# Altium PCB SAMD20_Xplained_Pro.PcbDoc (part 3 of 3)
Units mm, origin at the board's own origin, x right, y up, seen from the top; angles counter-clockwise.
Board outline 60 x 100 mm, 4 copper layers (Top Layer LF-signals, GND, POWER, Bottom Layer LF-signals), stack 1.604 mm thick; 165 components, 137 nets, 712 pads, 237 vias.
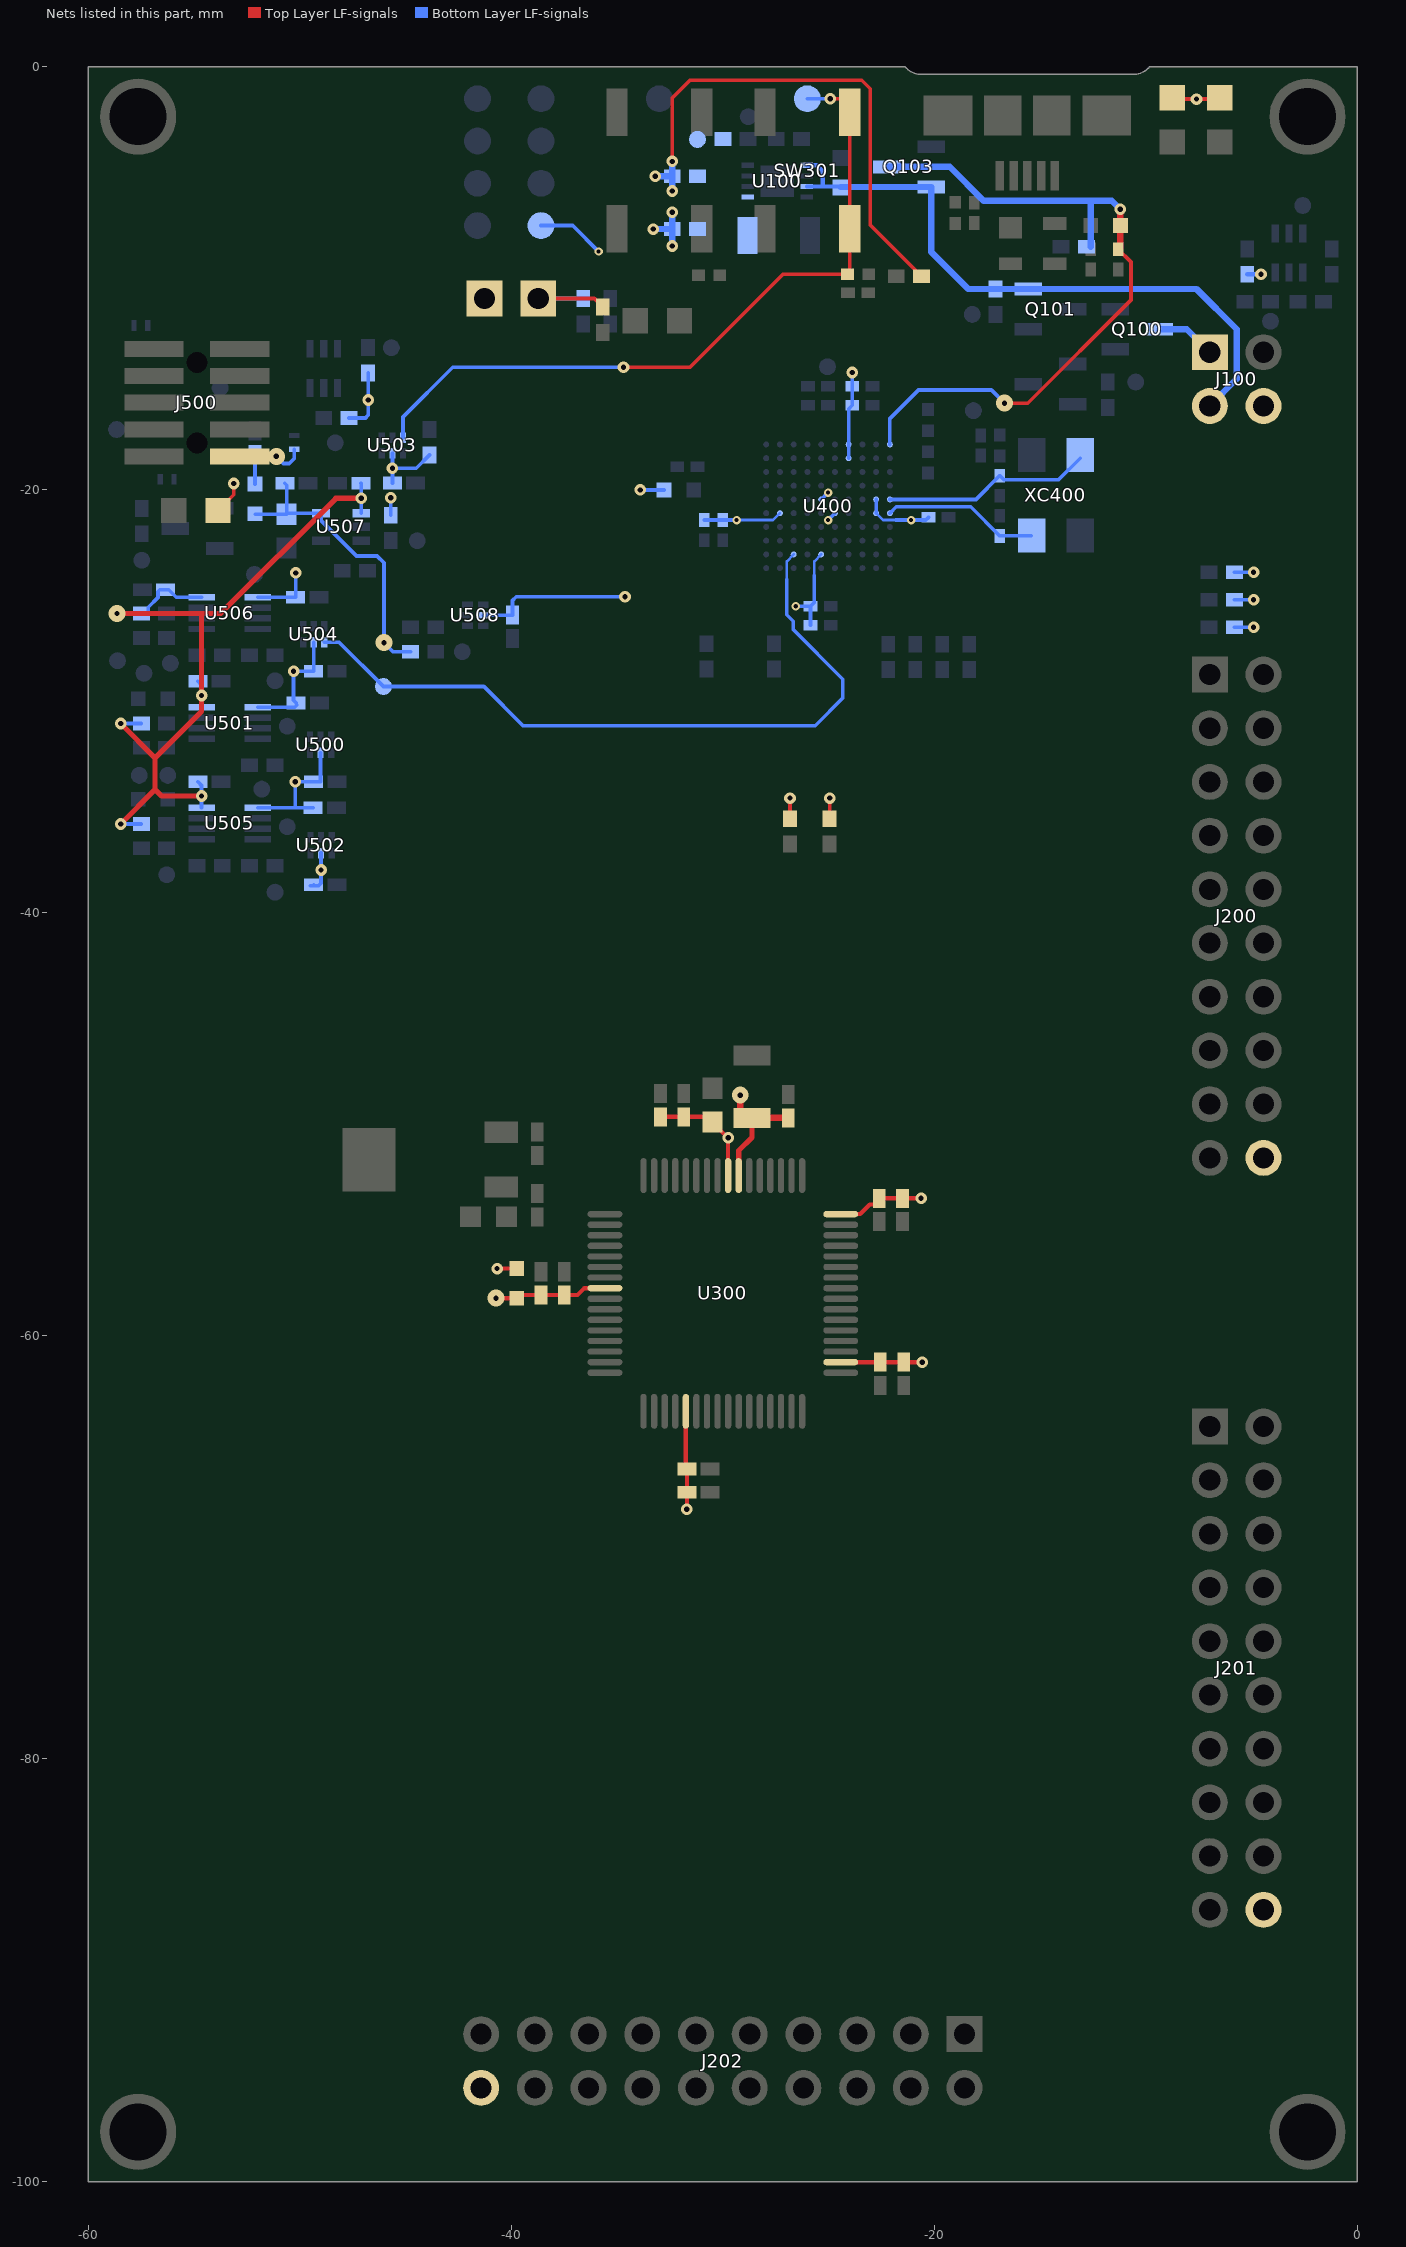
[diagram p5: the nets of this part, all layers, seen from the top]

## Via types
v1: diameter 0.55, hole 0.25, Top Layer LF-signals to Bottom Layer LF-signals, tented both sides, 80 vias
v2: diameter 0.55, hole 0.25, Top Layer LF-signals to Bottom Layer LF-signals, tented top, 71 vias
v3: diameter 0.55/0.8 (per signal layer), hole 0.25, Top Layer LF-signals to Bottom Layer LF-signals, tented top, 39 vias
v4: diameter 0.55, hole 0.25, Top Layer LF-signals to Bottom Layer LF-signals, 20 vias
v5: diameter 0.4, hole 0.2, Top Layer LF-signals to Bottom Layer LF-signals, tented both sides, 16 vias
v6: diameter 0.4, hole 0.2, Top Layer LF-signals to Bottom Layer LF-signals, tented top, 10 vias
v7: diameter 0.4, hole 0.2, Top Layer LF-signals to Bottom Layer LF-signals, 1 vias

## Nets (pads, with @x,y where several pads share a name; then routed paths per layer and width w, separated by ;. In a path a pad name is that pad's centre, name@x,y a point inside that pad or via, vN(x,y) a via of type N, cw(c..) or ccw(c..) an arc to the next point about the centre after c; other vN are vias at no path point) (continued)
TARGET_RESET_INTERNAL: R304.1 SW301.3 SW301.4 TP301.1 U503.3 | length 35
  Top Layer LF-signals w0.175: v4(-34.7,-14.2) -31.55,-14.2 -27.15,-9.8 R304.1@-24.1,-9.8 -24,-9.7 SW301.3@-24,-7.65 SW301.4@-24,-2.15 -24,-1.8 -24.3,-1.5 v2(-24.925,-1.5)
  Bottom Layer LF-signals w0.175: U503.3@-45.125,-17.525 -45.125,-16.55 -42.775,-14.2 v4(-34.7,-14.2) ; TP301.1@-26,-1.5 v2(-24.925,-1.5)
TARGET_RESET_SENSE: pad.0@-46.05,-29.3 U400.H2 U504.4 | length 34.7
  Bottom Layer LF-signals w0.125: -26.975,-24.225 -26.975,-23.375 U400.H2@-26.65,-23.05
  Bottom Layer LF-signals w0.175: U504.4@-48.85,-27.2 -48.15,-27.2 pad.0@-46.05,-29.3 -41.3,-29.3 -39.45,-31.15 -25.633,-31.15 -24.325,-29.842 -24.325,-28.95 -26.675,-26.6 -26.675,-26.209 -26.975,-25.909 -26.975,-24.225
VCC_EDBG_P3V3: C409.1 C410.1 C411.1 C412.1 C413.1 C414.1 C415.1 C500.1 C504.1 C505.1 C506.1 C508.1 C509.1 C512.1 C515.1 D400.2 D401.2 D500.2 L402.1 R401.2 R402.2 R409.2 R410.2 R425.1 R514.2 R520.2 R525.2 R526.2 TP407.1 U400.B5 U400.B6 U400.D9 U400.D10 U400.E5 U400.F2 U400.F6 U400.J5 U500.5 U501.1 U502.5 U503.5 U504.5 U505.1 U506.1 U508.5 | length 62.2
  Top Layer LF-signals w0.175: D500.2@-53.875,-20.975 -53.125,-20.225 v4(-53.125,-19.7)
  Top Layer LF-signals w0.2: D400.2@-8.756,-1.518 v2(-7.6,-1.518) D401.2@-6.47,-1.518
  Bottom Layer LF-signals w0.125: v6(-29.35,-21.425) -27.625,-21.425 U400.J5@-27.3,-21.1 ; -25.675,-24.05 -25.675,-23.375 U400.F2@-25.35,-23.05 ; U400.B5@-22.75,-21.1 -22.425,-21.425 -21.825,-21.425
  Bottom Layer LF-signals w0.175: U505.1@-52,-35.025 -50.25,-35.025 ; U501.1@-52,-30.275 -50.25,-30.275 C504.1@-50.15,-30.175 ; U506.1@-52,-25.075 C512.1@-50.2,-25.075 v2(-50.2,-23.925) ; C504.1@-50.175,-30.075 -50.3,-29.95 v2(-50.3,-28.575) C509.1@-49.35,-28.575 U504.5@-49.35,-27.2 ; C505.1@-49.5,-38.725 -49.125,-38.725 -49,-38.6 U502.5@-49,-37.175 ; C508.1@-49.375,-35.025 -50.25,-35.025 ; U500.5@-49.025,-32.425 -49.025,-33.8 v2(-50.225,-33.8) -50.225,-35 -50.25,-35.025 ; R525.2@-47.675,-16.6 -46.9,-16.6 -46.775,-16.475 v2(-46.775,-15.75) R526.2@-46.775,-14.475 ; R514.2@-45.7,-21.2 v2(-45.7,-20.375) ; C506.1@-45.625,-19.675 v2(-45.625,-18.975) ; U503.5@-45.625,-18.275 v2(-45.625,-18.975) ; R520.2@-43.875,-18.35 -44.5,-18.975 v2(-45.625,-18.975) ; U508.5@-41.325,-25.925 C515.1@-39.95,-25.925 -39.95,-25.225 -39.775,-25.05 v4(-34.625,-25.05) ; TP407.1@-38.6,-7.5 -37.1,-7.5 v5(-35.875,-8.725) ; v1(-33.9,-20) L402.1@-32.775,-20 ; C414.1@-30.875,-21.425 C413.1@-30,-21.425 v6(-29.35,-21.425) ; v5(-26.55,-25.5) C412.1@-25.85,-25.5 ; C415.1@-25.85,-26.4 C412.1@-25.85,-25.5 ; -25.675,-24.05 -25.675,-25.325 C412.1@-25.85,-25.5 ; U400.F6@-25.35,-20.45 v5(-25.025,-20.125) ; v5(-25.025,-21.425) U400.E5@-24.7,-21.1 ; U400.D9@-24.05,-18.5 U400.D10@-24.05,-17.85 -24.05,-16.175 C410.1@-23.875,-16 C409.1@-23.875,-15.1 v1(-23.875,-14.45) ; U400.B5@-22.75,-21.1 U400.B6@-22.75,-20.45 ; -21.825,-21.425 v6(-21.1,-21.425) -20.4,-21.425 C411.1@-20.275,-21.3 ; R409.2@-5.8,-26.5 v2(-4.9,-26.5) ; R402.2@-5.8,-25.2 v2(-4.9,-25.2) ; R401.2@-5.8,-23.9 v2(-4.9,-23.9)
  Bottom Layer LF-signals w0.2: R410.2@-5.2,-9.8 v2(-4.55,-9.8)
  Bottom Layer LF-signals w0.3: v2(-33.29,-7.665) R425.1@-32.39,-7.665 ; v2(-32.39,-8.465) R425.1@-32.39,-7.665 ; v2(-32.39,-6.865) R425.1@-32.39,-7.665
  other v2: -49,-37.975
VCC_EDBG_USB_P5V0: C408.1 L401.2 Q103.3 R104.2 U400.A10 | length 34
  Top Layer LF-signals w0.125: C408.1@-11.3,-8.625 C408.1@-11.3,-8.525
  Top Layer LF-signals w0.175: v3(-16.675,-15.9) -15.575,-15.9 -10.7,-11.025 -10.7,-9.225 C408.1@-11.3,-8.625
  Top Layer LF-signals w0.3: C408.1@-11.2,-8.525 L401.2@-11.2,-7.5 v2@-11.2,-6.775
  Bottom Layer LF-signals w0.175: U400.A10@-22.1,-17.85 -22.1,-16.625 -20.75,-15.275 -17.3,-15.275 v3(-16.675,-15.9)
  Bottom Layer LF-signals w0.3: Q103.3@-22.25,-4.725 -19.275,-4.725 -17.675,-6.325 -11.6,-6.325 v2(-11.2,-6.725) ; R104.2@-12.6,-8.5 -12.6,-6.35
VCC_EXT_P5V0: J100.1@-6.97,-13.49 Q100.3 | length 2.8
  Bottom Layer LF-signals w0.3: Q100.3@-9.35,-12.4 -8.068,-12.4 J100.1@-6.978,-13.49
VCC_EXT_TARGET: C503.1 C507.1 C511.1 C513.2 R501.2 R502.1 R504.2 U501.8 U505.8 U506.8 U507.1 | length 40.9
  Top Layer LF-signals w0.25: v3(-58.65,-25.85) -54.65,-25.85 ; v2(-58.475,-35.8) -56.85,-34.175 ; v2(-58.475,-31.05) -56.85,-32.675 ; v2(-54.65,-34.475) -56.55,-34.475 -56.85,-34.175 ; v2(-47.1,-20.4) -48.3,-20.4 -53.75,-25.85 -54.65,-25.85 ; -56.85,-34.175 -56.85,-32.675 ; -56.85,-32.675 -54.65,-30.475 v2(-54.65,-29.725) -54.65,-25.85
  Bottom Layer LF-signals w0.175: v3(-58.65,-25.85) R501.2@-57.5,-25.85 ; v2(-58.475,-35.8) R504.2@-57.5,-35.8 ; v2(-58.475,-31.05) R502.1@-57.5,-31.05 ; R501.2@-57.475,-25.85 R501.2@-57.5,-25.85 ; C507.1@-54.825,-33.8 -54.65,-33.975 v2(-54.65,-34.475) U505.8@-54.65,-35.025 ; C503.1@-54.825,-29.05 -54.65,-29.225 v2(-54.65,-29.725) U501.8@-54.65,-30.275 ; U506.8@-54.65,-25.075 -55.85,-25.075 -56.2,-24.725 C511.1@-56.35,-24.725 -56.625,-24.725 -56.712,-24.813 -56.712,-25.087 -57.175,-25.55 -57.175,-25.85 R501.2@-57.5,-25.85 ; C513.2@-47.115,-19.684 -47.1,-19.7 v2(-47.1,-20.4) U507.1@-47.1,-21.1
VCC_EXT_VREF: C501.2 C514.1 L500.1 R516.2 U507.5 | length 13.9
  Bottom Layer LF-signals w0.175: L500.1@-52.1,-21.15 C514.1@-50.625,-21.15 -50.625,-19.775 C501.2@-50.715,-19.684 ; C514.1@-50.575,-21.1 U507.5@-49,-21.1 -49,-21.45 -47.325,-23.125 -46.35,-23.125 -46.025,-23.45 v3(-46.025,-27.225) -45.6,-27.65 R516.2@-44.775,-27.65
VCC_MCU_CORE: C314.1 C315.1 U300.55 | length 6.3
  Top Layer LF-signals w0.25: U300.55@-29.25,-52.425 -29.25,-51.25 -28.625,-50.625 C315.1@-28.625,-49.7
  Top Layer LF-signals w0.3: v3(-29.175,-48.625) -29.175,-49.7 C315.1@-28.625,-49.7 C314.1@-26.9,-49.7
VCC_MCU_P3V3: C305.1 C306.1 C307.1 C308.1 C309.1 C310.1 C311.1 C312.1 C313.1 J101.1 L300.1 U300.21 U300.34 U300.48 U300.56 | length 18.8
  Top Layer LF-signals w0.2: v1(-40.675,-56.825) L300.1@-39.75,-56.825 ; C311.1@-32.95,-49.65 C312.1@-31.844,-49.65 ; C312.1@-31.843,-49.649 -30.743,-49.649 C313.1@-30.493,-49.899 v1(-29.75,-50.642) U300.56@-29.75,-52.425 ; U300.21@-31.75,-63.575 -31.75,-66.25 C305.1@-31.7,-66.3 C306.1@-31.7,-67.4 v1(-31.7,-68.2) ; U300.34@-24.425,-61.25 C308.1@-21.45,-61.25 v1(-20.575,-61.25) ; U300.48@-24.425,-54.25 -23.5,-54.25 -23.05,-53.8 C310.1@-22.65,-53.8 ; C310.1@-22.6,-53.5 C309.1@-21.5,-53.5 v1(-20.625,-53.5)
VCC_MCU_VDDANA: C316.1 C317.1 L300.2 U300.8 | length 5.3
  Top Layer LF-signals w0.2: v3(-40.725,-58.225) L300.2@-39.75,-58.225 -39.6,-58.075 C317.1@-38.6,-58.075 C316.1@-37.5,-58.075 -36.875,-58.075 -36.55,-57.75 U300.8@-35.575,-57.75
VCC_P3V3: C100.1 pad.3@-31.2,-3.425 R102.1 R108.1 R425.2 U100.5
VCC_P5V0: C101.1 J100.3@-6.97,-16.03 Q101.2 Q103.2 R103.2 U100.1 U100.3 | length 30.7
  Bottom Layer LF-signals w0.125: -23.274,-5.675 -23.25,-5.651
  Bottom Layer LF-signals w0.2: U100.3@-26.025,-5.65 -25.275,-5.65 ; U100.1@-26.025,-4.65 -25.55,-4.65 -25.275,-4.925 -25.275,-5.65 ; C101.1@-24.425,-5.675 -24.45,-5.65 -25.275,-5.65
  Bottom Layer LF-signals w0.3: C101.1@-24.425,-5.675 -23.274,-5.675 Q103.2@-20.15,-5.675 -20.15,-8.75 -18.4,-10.5 R103.2@-17.1,-10.5 Q101.2@-15.55,-10.5 -7.6,-10.5 -5.7,-12.4 -5.7,-14.752 J100.3@-6.978,-16.03
VCC_TARGET_P3V3: J100.4@-4.43,-16.03 J101.2 J200.20@-4.43,-51.59 J201.20@-4.43,-87.15 J202.20@-41.43,-95.57 R108.2 R109.2 R300.2 R303.2 R305.2 R306.2 | length 32.3
  Top Layer LF-signals w0.125: v2@-32.4,-4.5 v2@-32.4,-4.465
  Top Layer LF-signals w0.175: J101.2@-38.73,-10.95 -36.075,-10.95 R303.2@-35.675,-11.35 ; v2(-32.39,-4.465) -32.39,-1.465 -31.55,-0.625 -23.425,-0.625 -23.025,-1.025 -23.025,-7.475 R300.2@-20.6,-9.9 ; R306.2@-26.825,-35.55 v1(-26.825,-34.575) ; R305.2@-24.95,-35.55 v1(-24.95,-34.575)
  Bottom Layer LF-signals w0.175: J101.2@-38.73,-10.95 R109.2@-36.6,-10.95
  Bottom Layer LF-signals w0.3: v2(-33.19,-5.165) R108.2@-32.39,-5.165 ; v2(-32.39,-5.865) R108.2@-32.39,-5.165 ; v2(-32.39,-4.465) R108.2@-32.39,-5.165
VREF: C502.2 D504.2 J500.1 L500.2 | length 5.7
  Top Layer LF-signals w0.175: J500.1@-52.845,-18.415 v3(-51.115,-18.415)
  Bottom Layer LF-signals w0.175: L500.2@-52.125,-19.725 C502.2@-52.125,-18.325 -52.035,-18.415 v3(-51.115,-18.415) -50.78,-18.75 -50.5,-18.75 -50.275,-18.525 D504.2@-50.275,-18.075
XIN0: C400.1 U400.A5 XC400.1 | length 7.4
  Bottom Layer LF-signals w0.175: U400.A5@-22.1,-21.1 -21.8,-20.8 -18.275,-20.8 C400.1@-16.9,-22.175 XC400.1@-15.425,-22.175
XOUT0: C401.1 U400.A6 XC400.3 | length 10
  Bottom Layer LF-signals w0.175: U400.A6@-22.1,-20.45 -18.025,-20.45 C401.1@-16.9,-19.325 -16.7,-19.525 -14.125,-19.525 XC400.3@-13.1,-18.5
pads on no net: J100.1@-6.97,-13.49 J100.2@-4.43,-13.49 J100.3@-6.97,-16.03 J100.4@-4.43,-16.03 J200.1@-6.97,-28.73 J200.2@-4.43,-28.73 J200.3@-6.97,-31.27 J200.4@-4.43,-31.27 J200.5@-6.97,-33.81 J200.6@-4.43,-33.81 J200.7@-6.97,-36.35 J200.8@-4.43,-36.35 J200.9@-6.97,-38.89 J200.10@-4.43,-38.89 J200.11@-6.97,-41.43 J200.12@-4.43,-41.43 J200.13@-6.97,-43.97 J200.14@-4.43,-43.97 J200.15@-6.97,-46.51 J200.16@-4.43,-46.51 J200.17@-6.97,-49.05 J200.18@-4.43,-49.05 J200.19@-6.97,-51.59 J200.20@-4.43,-51.59 J201.1@-6.97,-64.29 J201.2@-4.43,-64.29 J201.3@-6.97,-66.83 J201.4@-4.43,-66.83 J201.5@-6.97,-69.37 J201.6@-4.43,-69.37 J201.7@-6.97,-71.91 J201.8@-4.43,-71.91 J201.9@-6.97,-74.45 J201.10@-4.43,-74.45 J201.11@-6.97,-76.99 J201.12@-4.43,-76.99 J201.13@-6.97,-79.53 J201.14@-4.43,-79.53 J201.15@-6.97,-82.07 J201.16@-4.43,-82.07 J201.17@-6.97,-84.61 J201.18@-4.43,-84.61 J201.19@-6.97,-87.15 J201.20@-4.43,-87.15 J202.1@-18.57,-93.03 J202.2@-18.57,-95.57 J202.3@-21.11,-93.03 J202.4@-21.11,-95.57 J202.5@-23.65,-93.03 J202.6@-23.65,-95.57 J202.7@-26.19,-93.03 J202.8@-26.19,-95.57 J202.9@-28.73,-93.03 J202.10@-28.73,-95.57 J202.11@-31.27,-93.03 J202.12@-31.27,-95.57 J202.13@-33.81,-93.03 J202.14@-33.81,-95.57 J202.15@-36.35,-93.03 J202.16@-36.35,-95.57 J202.17@-38.89,-93.03 J202.18@-38.89,-95.57 J202.19@-41.43,-93.03 J202.20@-41.43,-95.57 J400.4 J500.6 J500.7 J500.8 J500.11 J500.12 U100.0 U100.2 U100.4 U100.6 U400.A2 U400.A3 U400.A4 U400.A7 U400.B1 U400.B7 U400.C1 U400.C2 U400.C4 U400.C6 U400.D1 U400.D2 U400.D3 U400.D4 U400.D5 U400.D7 U400.E1 U400.E3 U400.E7 U400.E8 U400.F3 U400.F4 U400.G1 U400.G2 U400.G3 U400.G4 U400.G6 U400.G8 U400.G9 U400.G10 U400.H1 U400.H4 U400.H5 U400.H6 U400.H10 U400.J1 U400.J2 U400.J3 U400.J7 U400.J10 U400.K5 U400.K6 U400.K7 XC400.2 XC400.4

## Polygon pours and split planes (outlines as drawn)
no net on Top Overlay "MountingHole_Index" (solid): -4.5,-0.3 -0.3,-0.3 -0.3,-4.5 -4.5,-4.5
SHIELD on Top Layer LF-signals "SHIELD_DEBUGUSB" (solid, pour order 10): -21,-0.3 -10.2,-0.3 -10.2,-4.5 -17.5,-4.5 -17.5,-6.7 -21,-6.7
GND on Top Layer LF-signals "Top_GND_fill" (solid, remove dead copper, pour order 13): -59.7,-0.3 -0.3,-0.3 -0.3,-99.7 -59.7,-99.7
GND on Bottom Layer LF-signals "Regulator_GND" (solid, remove dead copper, pour order 9): -28.275,-2.275 -28.275,-9.275 -24.975,-9.275 -24.975,-2.275
VCC_P3V3 on Bottom Layer LF-signals "Regulator_P3V3" (solid, pour order 8): -27.925,-2.275 -27.925,-9.275 -31.79,-9.275 -31.79,-2.275 -27.925,-2.275
GND on Bottom Layer LF-signals "Bottom_GND_Fill" (solid, remove dead copper, pour order 12): -59.7,-0.3 -0.3,-0.3 -0.3,-99.7 -59.7,-99.7
GND on GND (split plane): -0.252,-99.748 -59.748,-99.748 -59.748,-0.252 -21.48,-0.252 -21.403,-0.321 -21.285,-0.405 -21.158,-0.474 -21.025,-0.53 -20.886,-0.57 -20.744,-0.594 -20.601,-0.602 -20.6,-0.602 -10.6,-0.602 -10.599,-0.602 -10.456,-0.594 -10.314,-0.57 -10.175,-0.53 -10.042,-0.474 -9.915,-0.405 -9.797,-0.321 -9.72,-0.252 -0.252,-0.252
VCC_EDBG_P3V3 on POWER (split plane): -0.252,-14.373 -5.9,-14.373 -5.949,-14.382 -5.99,-14.41 -6.018,-14.451 -6.027,-14.5 -6.027,-16.9 -6.018,-16.949 -5.99,-16.99 -4.627,-18.353 -4.627,-27.373 -33.947,-27.373 -36.323,-24.997 -36.323,-7.703 -35.097,-6.477 -31.898,-6.477 -31.849,-6.468 -31.808,-6.44 -31.71,-6.342 -31.682,-6.301 -31.673,-6.252 -31.673,-3.625 -31.682,-3.576 -31.71,-3.535 -31.751,-3.507 -31.8,-3.498 -42.175,-3.498 -42.224,-3.507 -42.265,-3.535 -46.89,-8.16 -46.918,-8.201 -46.927,-8.25 -46.927,-14.275 -46.918,-14.324 -46.89,-14.365 -45.252,-16.003 -45.252,-21.922 -46.865,-23.535 -46.893,-23.576 -46.902,-23.625 -46.902,-37.022 -48.303,-38.423 -51.177,-38.423 -53.773,-36.118 -53.773,-0.252 -21.48,-0.252 -21.403,-0.321 -21.285,-0.405 -21.158,-0.474 -21.025,-0.53 -20.886,-0.57 -20.744,-0.594 -20.601,-0.602 -20.6,-0.602 -10.6,-0.602 -10.599,-0.602 -10.456,-0.594 -10.314,-0.57 -10.175,-0.53 -10.042,-0.474 -9.915,-0.405 -9.797,-0.321 -9.72,-0.252 -0.252,-0.252
VCC_MCU_P3V3 on POWER (split plane): -40.127,-10.078 -40.127,-44.8 -40.118,-44.849 -40.09,-44.89 -37.49,-47.49 -37.449,-47.518 -37.4,-47.527 -19.528,-47.527 -18.302,-48.753 -18.302,-67.372 -20.128,-69.198 -37.747,-69.198 -41.223,-65.722 -41.223,-47.85 -41.232,-47.801 -41.26,-47.76 -42.523,-46.497 -42.523,-10.053 -42.122,-9.652 -40.553,-9.652
VCC_TARGET_P3V3 on POWER (split plane): -54.027,-36.175 -54.027,-36.179 -54.027,-36.183 -54.022,-36.203 -54.018,-36.224 -54.016,-36.227 -54.015,-36.231 -54.002,-36.248 -53.99,-36.265 -53.987,-36.267 -53.985,-36.27 -51.31,-38.645 -51.291,-38.656 -51.274,-38.668 -51.27,-38.669 -51.267,-38.67 -51.246,-38.673 -51.225,-38.677 -48.25,-38.677 -48.201,-38.668 -48.16,-38.64 -46.685,-37.165 -46.666,-37.137 -46.657,-37.124 -46.648,-37.075 -46.648,-23.678 -45.035,-22.065 -45.007,-22.024 -45.006,-22.016 -44.998,-21.975 -44.998,-15.95 -45.007,-15.901 -45.016,-15.888 -45.035,-15.86 -46.673,-14.222 -46.673,-8.303 -42.122,-3.752 -31.927,-3.752 -31.927,-6.199 -31.951,-6.223 -35.15,-6.223 -35.199,-6.232 -35.24,-6.26 -36.54,-7.56 -36.568,-7.601 -36.577,-7.65 -36.577,-25.05 -36.568,-25.099 -36.54,-25.14 -34.09,-27.59 -34.049,-27.618 -34,-27.627 -4.5,-27.627 -4.451,-27.618 -4.41,-27.59 -4.382,-27.549 -4.373,-27.5 -4.373,-18.3 -4.381,-18.259 -4.382,-18.251 -4.41,-18.21 -5.773,-16.847 -5.773,-14.627 -0.252,-14.627 -0.252,-99.748 -59.748,-99.748 -59.748,-0.252 -54.027,-0.252

## Keep-outs
Keep-Out Layer:
  lines w0.1: -59.7,-99.7 -59.7,-0.3 -21.375,-0.3 ccw(c-20.599,0.386) -20.599,-0.649 -10.6,-0.649 ccw(c-10.6,0.386) -9.824,-0.3 -0.3,-0.3 -0.3,-99.7 -59.7,-99.7

## Other copper
POWER (plane layer: these items are gaps in the copper):
  lines w0.25: -53.9,0.025 -53.9,-36.175 -51.225,-38.55 -48.25,-38.55 -46.775,-37.075 -46.775,-23.625 -45.125,-21.975 -45.125,-15.95 -46.8,-14.275 -46.8,-8.25 -42.175,-3.625 -31.8,-3.625 -31.8,-6.252 -31.898,-6.35 -35.15,-6.35 -36.45,-7.65 -36.45,-25.05 -34,-27.5 -4.5,-27.5 -4.5,-18.3 -5.9,-16.9 -5.9,-14.5 0,-14.5 ; -42.65,-46.55 -42.65,-10 -42.175,-9.525 -40.5,-9.525 -40,-10.025 -40,-44.8 -37.4,-47.4 -19.475,-47.4 -18.175,-48.7 -18.175,-67.425 -20.075,-69.325 -37.8,-69.325 -41.35,-65.775 -41.35,-47.85 -42.65,-46.55

## Silkscreen, mask and mechanical layers (free items; w line width, h text height)
Top Overlay:
  pour cut-out: 208 vertices and 0 holes, not listed, extent -4.15,-4.15 -0.549,-0.55
  text "VCC_MCU" at -40.925,-5.246 h1 r90
  text "GND" at -59.025,-5.4 h1.52
  text "GND" at -3.75,-5.75 h1.52
  text "VCC_TARGET" at -38.3,-6.875 h1 r90
  text "DEBUG USB" at -21.4,-8.1 h1.5 r90
  text "POWER" at -8.25,-10 h1.5 r90
  text "STATUS" at -6,-10.25 h1.5 r90
  text "SW0" at -36.2,-10.5 h1.5
  text "RESET" at -29.2,-10.5 h1.5
  text "PWR" at -7.525,-12.025 h1.5
  text "5.0V_IN" at -18.587,-13.824 h1.5
  text "GND" at -12.717,-13.879 h1.5
  text "1" at -9.063,-13.913 h1.5
  text "LED0" at -34.475,-14.15 h1.5
  text "5.0V" at -16.684,-16.42 h1.5
  text "VCC" at -12.717,-16.42 h1.5
  text "3" at -9.063,-16.453 h1.5
  text "B" at -34.875,-19.75 h7
  text "EXTERNAL TARGET" at -49.288,-22.834 h1.5 r90
  text "SWD PROG/DEBUG" at -48.113,-22.834 h1.5 r90
  text "SAMD20" at -38.775,-23.623 h2
  text "X" at -30.3,-23.65 h4
  text "PLAINED" at -26.875,-23.65 h2
  text "PRO" at -17.95,-23.65 h1
  text "EXT1" at -7.7,-26.1 h1.5
  text "1" at -8.913,-29.238 h1.5
  text "ID" at -17.847,-29.33 h1.5
  text "GND" at -13.88,-29.33 h1.5
  text "3" at -8.913,-31.778 h1.5
  text "PB00" at -17.847,-31.871 h1.5
  text "PB01" at -13.88,-31.871 h1.5
  text "5" at -8.913,-34.318 h1.5
  text "PB06" at -17.847,-34.417 h1.5
  text "PB07" at -13.88,-34.417 h1.5
  text "7" at -8.913,-36.858 h1.5
  text "PB02" at -17.847,-36.958 h1.5
  text "PB03" at -13.88,-36.958 h1.5
  text "9" at -8.913,-39.398 h1.5
  text "PB04" at -17.847,-39.49 h1.5
  text "PB05" at -13.88,-39.49 h1.5
  text "11" at -9.675,-41.938 h1.5
  text "PA08" at -17.847,-42.03 h1.5
  text "PA09" at -13.88,-42.03 h1.5
  text "13" at -9.675,-44.478 h1.5
  text "PB09" at -17.847,-44.57 h1.5
  text "PB08" at -13.88,-44.57 h1.5
  text "15" at -9.675,-47.018 h1.5
  text "PA05" at -17.847,-47.11 h1.5
  text "PA06" at -13.88,-47.11 h1.5
  text "32kHz CRYSTAL" at -48.1,-49.4 h1.5
  text "17" at -9.675,-49.558 h1.5
  text "PA04" at -17.847,-49.65 h1.5
  text "PA07" at -13.88,-49.65 h1.5
  text "19" at -9.675,-52.098 h1.5
  text "GND" at -17.847,-52.19 h1.5
  text "VCC" at -13.88,-52.19 h1.5
  text "EXT2" at -6.978,-61.75 h1.5
  text "ID" at -17.597,-64.605 h1.5
  text "GND" at -13.63,-64.605 h1.5
  text "1" at -8.838,-64.713 h1.5
  text "SAMD20J18" at -29.4,-66.35 h2
  text "PA10" at -17.597,-67.146 h1.5
  text "PA11" at -13.63,-67.146 h1.5
  text "3" at -8.838,-67.253 h1.5
  text "PA20" at -17.597,-69.692 h1.5
  text "PA21" at -13.63,-69.692 h1.5
  text "5" at -8.838,-69.793 h1.5
  text "PA22" at -17.597,-72.233 h1.5
  text "PA23" at -13.63,-72.233 h1.5
  text "7" at -8.838,-72.333 h1.5
  text "PB14" at -17.597,-74.765 h1.5
  text "PB15" at -13.63,-74.765 h1.5
  text "9" at -8.838,-74.873 h1.5
  text "PA08" at -17.597,-77.305 h1.5
  text "PA09" at -13.63,-77.305 h1.5
  text "11" at -9.6,-77.413 h1.5
  text "PB13" at -17.597,-79.845 h1.5
  text "PB12" at -13.63,-79.845 h1.5
  text "13" at -9.6,-79.953 h1.5
  text "PA17" at -17.597,-82.385 h1.5
  text "PA18" at -13.63,-82.385 h1.5
  text "15" at -9.6,-82.493 h1.5
  text "PA16" at -17.597,-84.925 h1.5
  text "PA19" at -13.63,-84.925 h1.5
  text "17" at -9.6,-85.033 h1.5
  text "GND" at -41.12,-85.305 h1.5 r90
  text "PB16" at -38.579,-85.305 h1.5 r90
  text "PB17" at -36.033,-85.305 h1.5 r90
  text "PB11" at -33.492,-85.305 h1.5 r90
  text "PA08" at -30.96,-85.305 h1.5 r90
  text "PA28" at -28.42,-85.305 h1.5 r90
  text "PA12" at -25.88,-85.305 h1.5 r90
  text "PB30" at -23.34,-85.305 h1.5 r90
  text "PA02" at -20.8,-85.305 h1.5 r90
  text "ID" at -18.26,-85.305 h1.5 r90
  text "GND" at -17.597,-87.465 h1.5
  text "VCC" at -13.63,-87.465 h1.5
  text "19" at -9.6,-87.573 h1.5
  text "VCC" at -41.12,-89.272 h1.5 r90
  text "PB23" at -38.579,-89.272 h1.5 r90
  text "PB22" at -36.033,-89.272 h1.5 r90
  text "PB10" at -33.492,-89.272 h1.5 r90
  text "PA09" at -30.96,-89.272 h1.5 r90
  text "PA27" at -28.42,-89.272 h1.5 r90
  text "PA13" at -25.88,-89.272 h1.5 r90
  text "PA15" at -23.34,-89.272 h1.5 r90
  text "PA03" at -20.8,-89.272 h1.5 r90
  text "GND" at -18.26,-89.272 h1.5 r90
  text "19" at -42.03,-91.214 h1.5
  text "17" at -39.49,-91.214 h1.5
  text "15" at -36.95,-91.214 h1.5
  text "13" at -34.41,-91.214 h1.5
  text "11" at -31.87,-91.214 h1.5
  text "9" at -29.076,-91.214 h1.5
  text "7" at -26.536,-91.214 h1.5
  text "5" at -23.996,-91.214 h1.5
  text "3" at -21.456,-91.214 h1.5
  text "1" at -18.916,-91.214 h1.5
  text "GND" at -59.075,-95.575 h1.52
  text "EXT3" at -43.97,-95.57 h1.5 r90
  text "GND" at -3.8,-95.6 h1.52
Bottom Overlay:
  lines w0.1: -16.35,-22.85 -16.35,-23.075 -16.175,-23.25 -15.95,-23.25
  text "BOOT" at -34.05,-1.9 h1.5
  text "GND" at -42.6,-2 h1.5
  text "TCK" at -42.6,-4 h1.5
  text "RST" at -34.827,-4 h1.5
  text "TDI" at -42.6,-6 h1.5
  text "TDO" at -34.6,-6 h1.5
  text "TMS" at -42.6,-8 h1.5
  text "VCC" at -34.621,-8 h1.5
  text "EXT" at -6.25,-12.175 h0.67
  text "GND" at -0.9,-13.8 h0.67
  text "5.0V" at -8.2,-16.35 h0.67
  text "3.3V" at -0.9,-16.35 h0.67
  text "ID" at -8.142,-29.035 h0.67
  text "GND" at -0.795,-29.035 h0.67
  text "PB00" at -8.142,-31.574 h0.67
  text "PB01" at -0.795,-31.574 h0.67
  text "PB06" at -8.142,-34.113 h0.67
  text "PB07" at -0.795,-34.113 h0.67
  text "PB02" at -8.142,-36.652 h0.67
  text "PB03" at -0.795,-36.652 h0.67
  text "PB04" at -8.142,-39.192 h0.67
  text "PB05" at -0.795,-39.192 h0.67
  text "PA08" at -8.142,-41.731 h0.67
  text "PA09" at -0.795,-41.731 h0.67
  text "PB09" at -8.142,-44.27 h0.67
  text "PB08" at -0.795,-44.27 h0.67
  text "PA05" at -8.142,-46.809 h0.67
  text "PA06" at -0.795,-46.809 h0.67
  text "PA04" at -8.142,-49.349 h0.67
  text "PA07" at -0.795,-49.349 h0.67
  text "GND" at -8.142,-51.888 h0.67
  text "VCC" at -0.795,-51.888 h0.67
  text "XPLAINED PRO" at -18.9,-62.218 h0.67
  text "EXTENSION HEADER" at -17.556,-63.368 h0.67
  text "GND" at -0.75,-64.595 h0.67
  text "ID" at -8.142,-64.67 h0.67
  text "ID" at -22.825,-66.4 h1.3
  text "GND" at -15.7,-66.4 h1.3
  text "PA11" at -0.75,-67.134 h0.67
  text "PA10" at -8.142,-67.209 h0.67
  text "ADC+" at -22.825,-68.525 h1.3
  text "ADC-" at -15.7,-68.525 h1.3
  text "PA21" at -0.75,-69.673 h0.67
  text "PA20" at -8.142,-69.748 h0.67
  text "GPIO0" at -22.825,-70.65 h1.3
  text "GPIO1" at -15.7,-70.65 h1.3
  text "PA23" at -0.75,-72.212 h0.67
  text "PA22" at -8.142,-72.287 h0.67
  text "PWM+" at -22.825,-72.775 h1.3
  text "PWM-" at -15.7,-72.775 h1.3
  text "PB15" at -0.75,-74.752 h0.67
  text "PB14" at -8.142,-74.827 h0.67
  text "IRQ" at -22.825,-74.9 h1.3
  text "SPI_SS_B" at -15.7,-74.9 h1.3
  text "TWI_SDA" at -22.825,-77.025 h1.3
  text "TWI_SCL" at -15.7,-77.025 h1.3
  text "PA09" at -0.75,-77.291 h0.67
  text "PA08" at -8.142,-77.366 h0.67
  text "p" at -49.95,-77.55 h4 r270
  text "UART_RX" at -22.825,-79.15 h1.3
  text "UART_TX" at -15.7,-79.15 h1.3
  text "PB12" at -0.75,-79.83 h0.67
  text "PB13" at -8.142,-79.905 h0.67
  text "t" at -48.975,-81.125 h4 r270
  text "SPI_SS_A" at -22.825,-81.275 h1.3
  text "SPI_MOSI" at -15.7,-81.275 h1.3
  text "PA18" at -0.75,-82.369 h0.67
  text "PA17" at -8.142,-82.444 h0.67
  text "SPI_MISO" at -22.825,-83.4 h1.3
  text "SPI_SCK" at -15.7,-83.4 h1.3
  text "PA19" at -0.75,-84.909 h0.67
  text "PA16" at -8.142,-84.984 h0.67
  text "GND" at -22.825,-85.525 h1.3
  text "VCC" at -15.7,-85.525 h1.3
  text "c" at -50,-86.325 h4 r270
  text "VCC" at -0.75,-87.448 h0.67
  text "GND" at -8.142,-87.523 h0.67
  text "A08-1774 Rev 2" at -58.05,-87.6 h2 r270
  text "Atmel Corp © 2013" at -52,-89.45 h2 r270
  text "GND" at -41.653,-91.853 h0.67 r270
  text "PB16" at -39.114,-91.853 h0.67 r270
  text "PB17" at -36.574,-91.853 h0.67 r270
  text "PB11" at -34.035,-91.853 h0.67 r270
  text "PA08" at -31.496,-91.853 h0.67 r270
  text "PA28" at -28.957,-91.853 h0.67 r270
  text "PA12" at -26.417,-91.853 h0.67 r270
  text "PB30" at -23.878,-91.853 h0.67 r270
  text "PA02" at -21.339,-91.853 h0.67 r270
  text "ID" at -18.8,-91.853 h0.67 r270
  text "VCC" at -41.653,-99.295 h0.67 r270
  text "PB23" at -39.114,-99.295 h0.67 r270
  text "PB22" at -36.574,-99.295 h0.67 r270
  text "PB10" at -34.035,-99.295 h0.67 r270
  text "PA09" at -31.496,-99.295 h0.67 r270
  text "PA27" at -28.957,-99.295 h0.67 r270
  text "PA13" at -26.417,-99.295 h0.67 r270
  text "PA15" at -23.878,-99.295 h0.67 r270
  text "PA03" at -21.339,-99.295 h0.67 r270
  text "GND" at -18.8,-99.295 h0.67 r270
Mechanical 1:
  lines w0.1: -19.1,-0.353 -12.082,-0.353 ; -60,-100 -60,0 -21.375,0 ccw(c-20.6,0.686) -20.6,-0.35 -10.6,-0.35 ccw(c-10.6,0.686) -9.825,-0.001 0,0 0,-100 -60,-100
Mechanical 4:
  lines w0.3: -167.55,-169.275 -167.05,-169.775 ; -167.5,-88.775 -167,-88.275 ; -167.05,-129.95 -167.05,-169.775 ; -167,-119.275 -167,-88.275 ; -166.55,-169.275 -167.05,-169.775 ; -166.5,-88.775 -167,-88.275 ; -164.625,-130.025 -164.625,-144.8 -148.975,-160.45 -138.175,-160.45 -128.2,-170.425 ; -164.625,-119.15 -164.625,-113.4 -148.975,-97.75 -135,-83.775 -129.9,-83.775 ; -130.4,-84.275 -129.9,-83.775 ; -130.4,-83.275 -129.9,-83.775 ; -129,-170.425 -128.2,-170.425 ; -128.2,-169.625 -128.2,-170.425 ; 91.45,26.625 97.95,26.625 97.95,40.425 ; 91.45,28.775 96,28.775 96,43.325 ; 91.45,31.05 94.975,31.05 94.975,45.375 97.275,45.375 ; 91.45,33.125 94.075,33.125 94.075,47.35 97.275,47.35 ; 96.546,42.65 97.246,43.35 96.546,44.05 ; 96.575,44.675 97.275,45.375 ; 96.575,46.075 97.275,45.375 ; 96.575,46.65 97.275,47.35 ; 96.575,48.05 97.275,47.35 ; 97.25,39.725 97.95,40.425 ; 97.3,39.625 98,40.325 98.7,39.625 ; 98.65,39.725 97.95,40.425 ; 100.3,39.625 101,40.325 101.7,39.625 ; 100.35,39.725 101.05,40.425 ; 101.75,39.725 101.05,40.425 ; 102.425,42.725 101.725,43.425 ; 102.425,44.125 101.725,43.425 ; 102.425,44.675 101.725,45.375 ; 102.425,46.075 101.725,45.375 ; 102.425,46.65 101.725,47.35 ; 102.425,48.05 101.725,47.35 ; 105.925,45.6 106.625,46.3 ; 106.625,41.725 106.625,46.3 ; 107.325,45.6 106.625,46.3 ; 107.55,26.625 101.05,26.625 101.05,40.425 ; 107.55,28.775 103,28.775 103,43.425 101.725,43.425 ; 107.55,31.05 104.025,31.05 104.025,45.375 101.725,45.375 ; 107.55,33.125 104.925,33.125 104.925,47.35 101.725,47.35 ; 112.9,45.65 113.6,46.35 ; 113.6,44.35 113.6,46.35 ; 114.3,45.65 113.6,46.35 ; -167.05,-169.775 -167.05,-169.775 ; -167.05,-169.775 -167.05,-169.775 ; -167,-88.275 -167,-88.275 ; -167,-88.275 -167,-88.275
  text "Medium MCU Test Points" at 84.373,62.275 h5
  text "Medium MCU Mechanical Dimensions" at -184.563,56.225 h5
  text "TP_TARGET_RESET" at 113.175,42.775 h1
  text "TP_TARGET_BOOT" at 106.15,40.15 h1
  text "TP_GND" at 85.173,32.675 h1
  text "TP_EDBG_BOOT" at 108.35,32.675 h1
  text "TP_EDBG_TCK" at 80.175,30.467 h1
  text "TP_EDBG_RESET" at 108.35,30.467 h1
  text "TP_EDBG_TDI" at 80.508,28.258 h1
  text "TP_EDBG_TDO" at 108.35,28.258 h1
  text "TP_EDBG_TMS" at 80.175,26.05 h1
  text "TP_VCC_EDBG_P3V3" at 108.35,26.05 h1
  text "Medium MCU Component Placement" at -181.35,-72.475 h5
  text "1" at -123.212,-91.15 h1
  text "2" at -120.838,-91.15 h1
  text "Power Connector" at -141.584,-94.36 h1
  text "1" at -123.212,-106.39 h1
  text "2" at -120.838,-106.39 h1
  text "Extension Connector 1" at -144.333,-119.76 h1
  text "Rubber Feet" at -172.925,-121.85 h1
  text "Placed on Bottom side" at -172.925,-123.75 h1
  text "h = 2.8mm" at -172.925,-125.65 h1
  text "3M MPN: SJ-5076" at -172.925,-127.55 h1
  text "1" at -123.187,-141.95 h1
  text "2" at -120.813,-141.95 h1
  text "Extension Connector 2" at -144.5,-155.32 h1
  text "Extension Connector 3" at -156.13,-170.238 h1
  text "1" at -131.83,-172.297 h1 r90
  text "2" at -131.83,-175.003 h1 r90
Mechanical 6:
  drawing of 254 lines, arcs and shapes, not listed
Mechanical 15:
  lines w0.5: -6.216,-40.16 -5.2,-40.16 ; -6.2,-14.76 -5.2,-14.76 ; -5.708,-40.668 -5.708,-39.652 ; -5.708,-15.252 -5.708,-14.252
Mechanical 16:
  lines w0.127: -219,-126.915 -213.92,-126.915 ; -219,-56.255 -213.92,-56.255 ; -219,14.23 -213.92,14.23 ; -169.724,-197.4 -169.724,-192.32 ; -169.724,79.46 -169.724,84.54 ; -125.7,79.46 -125.7,84.54 ; -120.575,-197.4 -120.575,-192.32 ; -76.525,79.46 -76.525,84.54 ; -71.426,-197.4 -71.426,-192.32 ; -22.15,-197.4 -22.15,-192.32 ; -22.15,79.46 -22.15,84.54 ; 26.999,-197.4 26.999,-192.32 ; 26.999,79.46 26.999,84.54 ; 55.32,-184.7 169.62,-184.7 ; 55.32,-177.08 169.62,-177.08 ; 55.32,-169.46 93.42,-169.46 ; 76.148,-197.4 76.148,-192.32 ; 76.148,79.46 76.148,84.54 ; 93.42,-192.32 93.42,-177.08 93.42,-161.84 ; 125.424,-197.4 125.424,-192.32 ; 125.424,79.46 125.424,84.54 ; 146.76,-192.32 146.76,-177.08 ; 169.62,-126.915 174.7,-126.915 ; 169.62,-56.3 174.7,-56.3 ; 169.62,14.185 174.7,14.185 ; 55.32,-192.32 19.76,-192.32 19.76,-161.84 55.32,-161.84 ; 55.32,-192.32 169.62,-192.32 ; 55.32,-192.32 55.32,-161.84 ; 55.32,-161.84 93.42,-161.84 ; 93.42,-161.84 169.62,-161.84 169.62,-192.32 ; 169.62,-192.32 -213.92,-192.32 -213.92,79.46 169.62,79.46 169.62,-192.32 ; -219,-197.4 -219,84.54 174.7,84.54 174.7,-197.4 -219,-197.4
  text "1" at -194.963,81.111 h0.67
  text "4" at -47.372,81.111 h0.67
  text "5" at 1.904,81.111 h0.67
  text "6" at 50.926,81.111 h0.67
  text "7" at 100.456,81.111 h0.67
  text "8" at 149.478,81.111 h0.67
  text "2" at -148.474,80.975 h0.67
  text "3" at -101.924,80.825 h0.67
  text "A" at -217.095,47.301 h0.67
  text "A" at 171.525,47.256 h0.67
  text "B" at 171.605,-20.799 h0.67
  text "B" at -217.095,-23.311 h0.67
  text "C" at 172.25,-90.25 h0.67
  text "C" at -217.188,-91.488 h0.67
  text "D" at -217.095,-164.202 h0.67
  text "D" at 171.525,-164.202 h0.67
  text "ENGINEER:" at 56.59,-164.38 h0.67
  text "TITLE:" at 94.69,-164.38 h0.67
  text "PCB DESIGNER:" at 56.59,-171.873 h0.67
  text "B" at 20.75,-177 h22
  text "DATE:" at 56.59,-179.62 h0.67
  text "PART NO.:" at 94.69,-179.62 h0.67
  text "REV:" at 148.03,-179.62 h0.67
  text ".PRINT_DATE" at 56.7,-183.5 h0.67
  text "ATMEL NORWAY" at 24,-184.4 h0.67
  text "Vestre Rosten 79" at 23.97,-186.478 h0.67
  text "FILE NAME:" at 56.59,-187.24 h0.67
  text "DWG NO:" at 94.69,-187.24 h0.67
  text "SCALE:" at 148.03,-187.24 h0.67
  text "N-7075 Tiller" at 23.97,-189.78 h0.67
  text ".PCB_FILE_NAME_NO_PATH" at 57.86,-190.288 h0.67
  text "2" at -145.34,-195.688 h0.67
  text "3" at -95.81,-195.688 h0.67
  text "4" at -46.788,-195.688 h0.67
  text "5" at 1.904,-195.688 h0.67
  text "6" at 50.926,-195.688 h0.67
  text "7" at 100.456,-195.688 h0.67
  text "8" at 149.478,-195.688 h0.67

## Dimensions
-21.375,0 to -60,0 on Mechanical 4
-21.375,0 to -20.6,-0.35 on Mechanical 4
-0.4,-27.3 to -0.398,-53.012 on Mechanical 4
-21.375,0 to 0.1,-60 on Mechanical 4
-0.401,-12.068 to -0.398,-53.012 on Mechanical 4
0.1,-58.2 to 0.1,-92.2 on Mechanical 4
-119.25,45.55 to -123.625,50.3 on Mechanical 4
-123.895,34.41 to -119.396,38.909 on Mechanical 4
-116.9,47.9 to -116.9,-52.1 on Mechanical 4
-176.9,-52.1 to -116.9,-52.1 on Mechanical 4
-176.9,47.9 to -175.9,45.55 on Mechanical 4
-176.9,47.9 to -174.55,46.9 on Mechanical 4
-158.33,-45.092 to -156.4,-41.275 on Mechanical 4
-121.75,-155.32 to -116.05,-179.1 on Mechanical 4
-121.258,-154.82 to -116.05,-179.1 on Mechanical 4
-121.283,-119.26 to -116.05,-179.1 on Mechanical 4
-121.283,-93.86 to -116.05,-179.1 on Mechanical 4
-176.05,-179.1 to -146.05,-173.892 on Mechanical 4
-146.55,-173.4 to -176.05,-179.1 on Mechanical 4
-167.05,-83.6 to -161.75,-89.2 on Mechanical 4
-176.05,-79.1 to -167.05,-79.6 on Mechanical 4
-171.05,-83.6 to -176.05,-79.1 on Mechanical 4
-125.05,-79.6 to -116.05,-79.1 on Mechanical 4
-121.05,-83.6 to -116.05,-79.1 on Mechanical 4
139.6,48.85 to 113.6,47.6 on Mechanical 4
139.6,48.85 to 106.6,47.6 on Mechanical 4
139.6,48.85 to 101,47.6 on Mechanical 4
139.6,48.85 to 98,47.6 on Mechanical 4
113.85,47.35 to 139.6,48.85 on Mechanical 4
97.75,43.35 to 97.75,41.35 on Mechanical 4

## Text inside footprints (layer, text, board x,y; h text height)
LABEL1: Bottom Overlay "PCBA LABEL" at -55.55,-85.875 h1.52 r270